# Altium PCB PCB.PcbDoc (part 2 of 4) (continued)
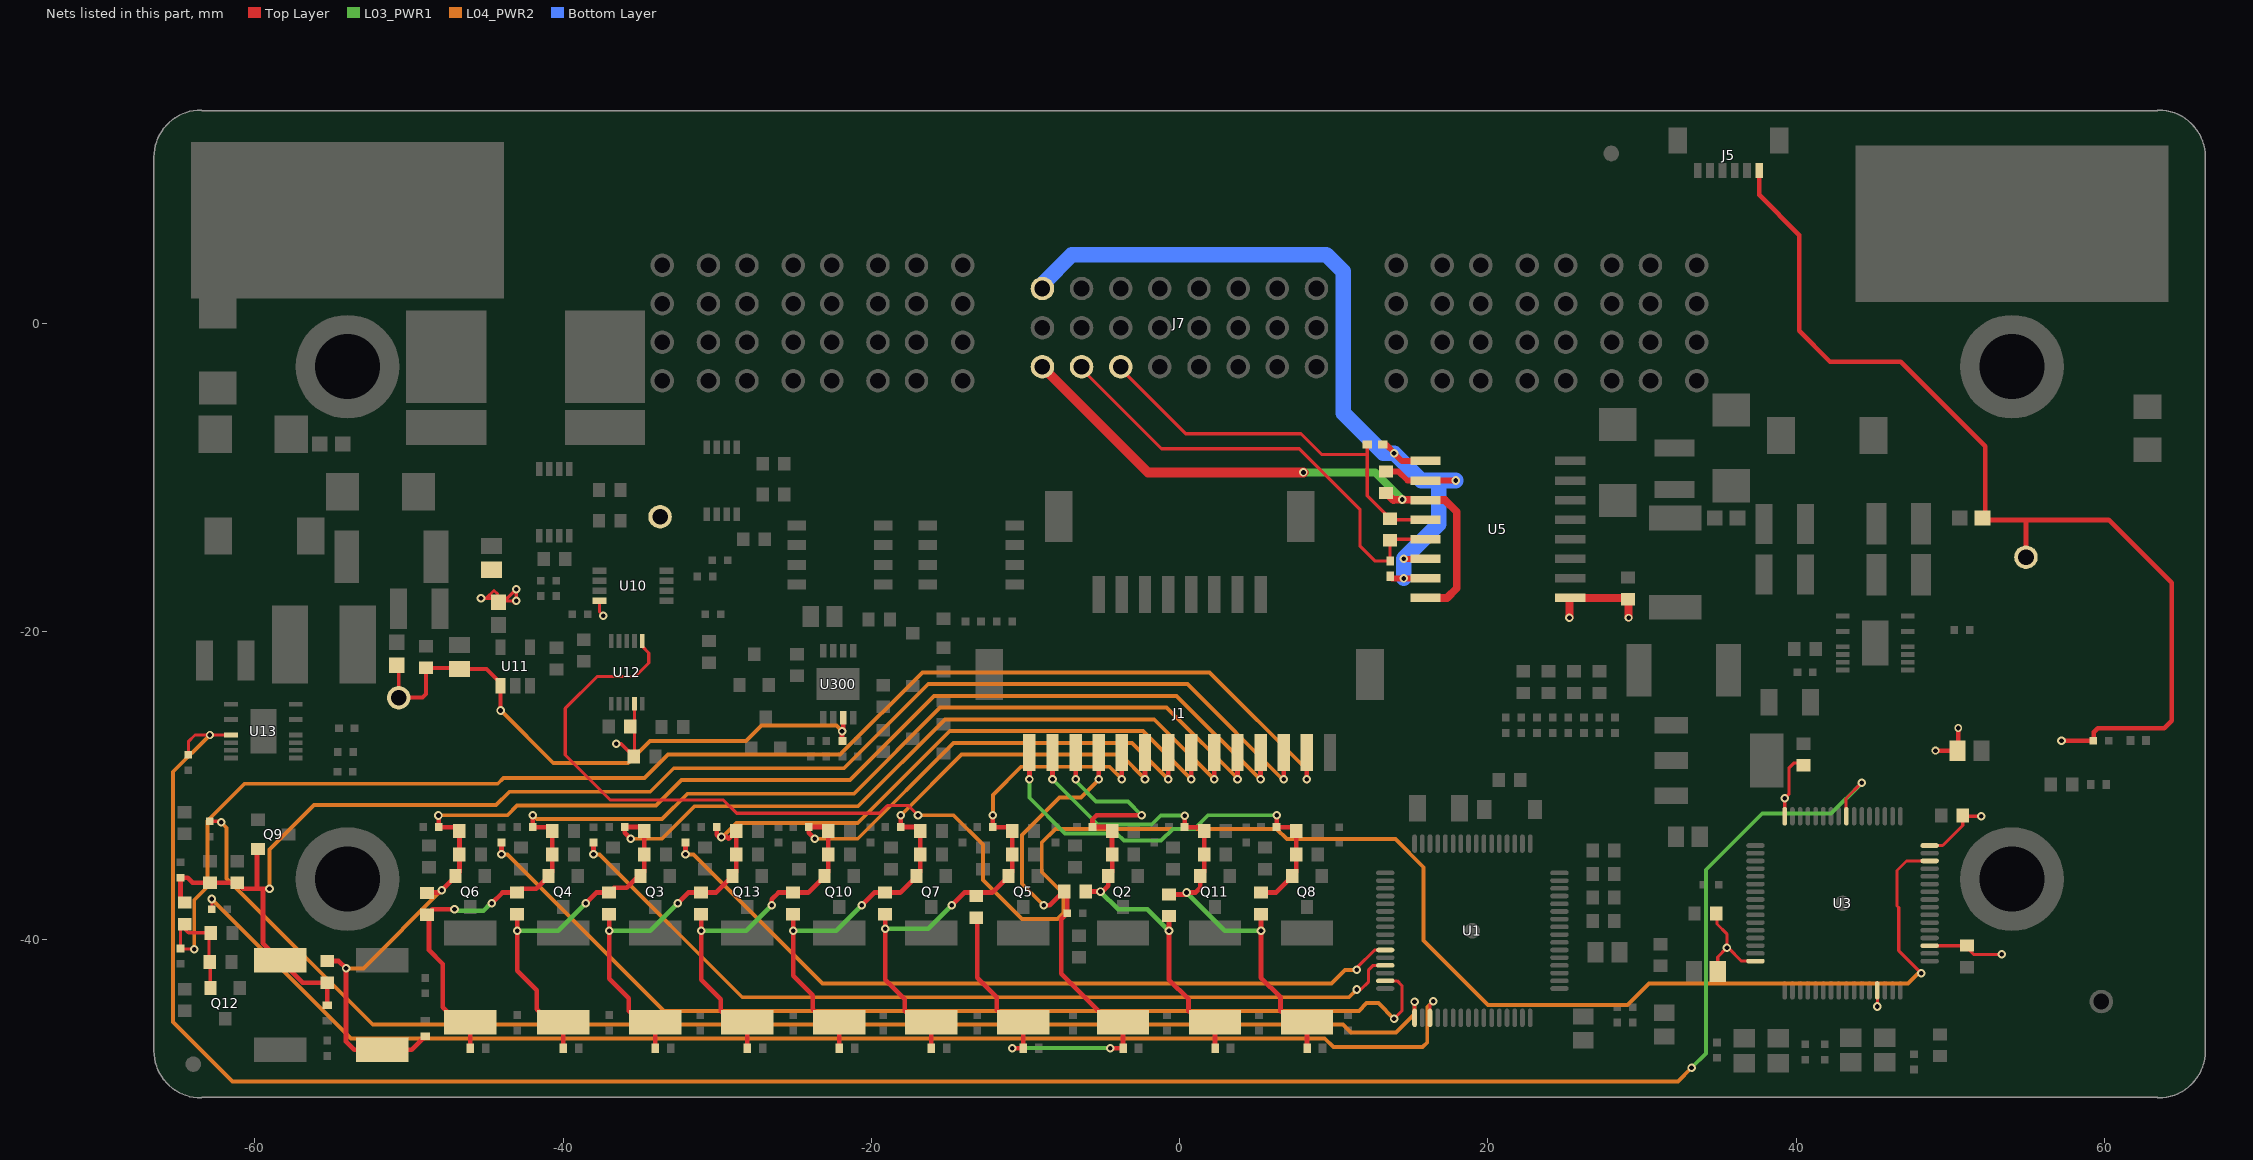
[diagram p6: the nets of this part, all layers, seen from the top]
## Part data (continued)
R303: library part R-Generic-0402, "RES SMD 4.7K OHM 1% 1/16W 0402", Case/Package=0402, Case Code (Metric)=1005, Manufacturer=Yageo, Manufacturer Part Number=RC0402FR-074K7L, Max Operating Temperature=155°C, Min Operating Temperature=-55°C, Power Rating=62.5mW, Resistance=4.7kR, Supplier Part Number 1=311-4.7KLRCT-ND, Temperature Coefficient=100ppm/°C, Tolerance=1%, Voltage Rating=50V, Case Code (Imperial)=0402, ComponentLink1Description=http://documents.rs-components.com/techlib://itc_doclist_GB.htm?stockno=6184558, ComponentLink1URL=http://documents.rs-components.com/techlib://itc_doclist_GB.htm?stockno=6184558, ComponentLink2Description=http://www.farnell.com/datasheets/1018594.pdf, ComponentLink2URL=http://www.farnell.com/datasheets/1018594.pdf, ComponentLink3Description=https://www.verical.com/server-webapp/html/getDatasheet?partID=328119, ComponentLink3URL=https://www.verical.com/server-webapp/html/getDatasheet?partID=328119, ComponentLink4Description=http://www.farnell.com/datasheets/1686128.pdf, ComponentLink4URL=http://www.farnell.com/datasheets/1686128.pdf, Composition="Thick Film", custinv=Ansync, custprt=100-0120-000181, Depth=0.5mm, Height=0.32mm, Lead Free="Lead Free", Length=1mm, Military Standard=Not, Number of Pins=2, Option=AB, Packaging="Tape and Reel", Pricing 1="1=0.1, 10=0.018, 100=0.0073, 1000=0.00329, 2500=0.00286, 5000=0.00236 (CHF)", REACH SVHC="No SVHC", Stock 1=1860042, Supplier 1=Digi-Key, Termination=SMD/SMT, Voltage Rating (DC)=50V, Width=0.5mm
R308: library part R-Generic-0402, "RES SMD 200K OHM 1% 1/16W 0402", Case/Package=0402, Case Code (Metric)=1005, Manufacturer=Yageo, Manufacturer Part Number=RC0402FR-07200KL, Max Operating Temperature=155°C, Max Power Dissipation=63mW, Min Operating Temperature=-55°C, Package Quantity=1, Power Rating=62.5mW, Resistance=200kR, Supplier Part Number 1=311-200KLRCT-ND, Temperature Coefficient=100ppm/°C, Tolerance=1%, Voltage Rating=50V, Case Code (Imperial)=0402, ComponentLink1Description=http://www.yageo.com/documents/recent/PYu-RC_Group_51_RoHS_L_9.pdf, ComponentLink1URL=http://www.yageo.com/documents/recent/PYu-RC_Group_51_RoHS_L_9.pdf, ComponentLink2Description=https://www.verical.com/server-webapp/html/getDatasheet?partID=323720, ComponentLink2URL=https://www.verical.com/server-webapp/html/getDatasheet?partID=323720, ComponentLink3Description=http://www.mouser.com/ds/2/447/PYu-RC0402_51_RoHS_L_6_r-8721.pdf, ComponentLink3URL=http://www.mouser.com/ds/2/447/PYu-RC0402_51_RoHS_L_6_r-8721.pdf, ComponentLink4Description=http://www.farnell.com/datasheets/1018594.pdf, ComponentLink4URL=http://www.farnell.com/datasheets/1018594.pdf, ComponentLink5Description=http://www.farnell.com/datasheets/2167052.pdf, ComponentLink5URL=http://www.farnell.com/datasheets/2167052.pdf, ComponentLink6Description=http://www.yageo.com/documents/recent/PYu-RC0402_51_RoHS_L_6_r.pdf, ComponentLink6URL=http://www.yageo.com/documents/recent/PYu-RC0402_51_RoHS_L_6_r.pdf, Composition="Thick Film", custinv=Ansync, custprt=100-0120-000047, Depth=0.5mm, Features="Moisture Resistant", Height=0.016inch, Lead Free="Lead Free", Length=1mm, Military Standard=Not, Number of Terminations=2, Option=AB, Packaging="Tape and Reel", Pricing 1="1=0.1, 10=0.018, 100=0.0073, 1000=0.00329, 2500=0.00286, 5000=0.00236 (USD)", REACH SVHC="No SVHC", Stock 1=7446238, Supplier 1=Digi-Key, Termination=SMD/SMT, Voltage Rating (DC)=50V, Width=0.02inch, Working Voltage=50V
R309: library part R-Generic-0402, "RES SMD 147K OHM 1% 1/16W 0402", Case/Package=0402, Case Code (Metric)=1005, Manufacturer=Yageo, Manufacturer Part Number=RC0402FR-07147KL, Max Operating Temperature=155°C, Max Power Dissipation=63mW, Min Operating Temperature=-55°C, Power Rating=62.5mW, Resistance=147kR, Supplier Part Number 1=YAG2981CT-ND, Temperature Coefficient=100ppm/°C, Tolerance=1%, Voltage Rating=50V, Case Code (Imperial)=0402, ComponentLink1Description=https://www.verical.com/server-webapp/html/getDatasheet?partID=329230, ComponentLink1URL=https://www.verical.com/server-webapp/html/getDatasheet?partID=329230, ComponentLink2Description=http://www.yageo.com/documents/recent/PYu-RC0402_51_RoHS_L_6_r.pdf, ComponentLink2URL=http://www.yageo.com/documents/recent/PYu-RC0402_51_RoHS_L_6_r.pdf, Composition="Thick Film", custinv=Ansync, custprt=100-0120-000047, Depth=0.5mm, Features="Moisture Resistant", Height=0.016inch, Lead Free="Lead Free", Length=1mm, Military Standard=Not, Number of Terminations=2, Option=AB, Packaging="Tape and Reel", Pricing 1="1=0.1, 10=0.018, 100=0.0073, 1000=0.00329, 2500=0.00286, 5000=0.00236 (USD)", Stock 1=461716, Supplier 1=Digi-Key, Termination=SMD/SMT, Voltage Rating (DC)=50V, Width=0.02inch
U1: library part BATTMAN-ISL94212INZ-700-498, "Battery Management Multi-Cell Li-Ion Battery Manager", Case/Package=QFP, Manufacturer=Renesas, Max Operating Temperature=85°C, Max Supply Current=5mA, Min Operating Temperature=-40°C, Package Quantity=160, Supplier Part Number 1=968-ISL94212INZ, ComponentLink1Description=http://www.intersil.com/products/deviceinfo.asp?pn=ISL94212, ComponentLink1URL=http://www.intersil.com/products/deviceinfo.asp?pn=ISL94212, ComponentLink2Description=http://www.intersil.com/content/dam/Intersil/documents/isl9/isl94212.pdf, ComponentLink2URL=http://www.intersil.com/content/dam/Intersil/documents/isl9/isl94212.pdf, Manufacturer Part Number=ISL94212INZ, Mount="Surface Mount", Number of Pins=64, Option=AB, Packaging=Tray, Pricing 1="1=11.53, 10=10.42, 50=9.94, 100=8.63, 1000=6.55, 10000=6.55 (USD)", Radiation Hardening=No, Stock 1=447, Supplier 1=Mouser
U3: library part MCU-STM32F105RBT6-700-443, "MCU 32-bit STM32 ARM Cortex M4 RISC 128KB Flash 2.5V/3.3V 64-Pin LQFP Tray", Case/Package=LQFP, Frequency=72MHz, Manufacturer 1=STMicroelectronics, Manufacturer Part Number 1=STM32F302RBT6, Max Operating Temperature=85°C, Max Supply Voltage=3.6V, Min Operating Temperature=-40°C, Min Supply Voltage=2V, Package Quantity=960, Supplier Part Number 1=497-17416-ND, Category=Microcontrollers, ComponentLink1Description=http://www.st.com/web/en/resource/technical/document/datasheet/DM00094064.pdf, ComponentLink1URL=http://www.st.com/web/en/resource/technical/document/datasheet/DM00094064.pdf, ComponentLink2Description=http://www.farnell.com/datasheets/1824148.pdf, ComponentLink2URL=http://www.farnell.com/datasheets/1824148.pdf, ComponentLink3Description=https://datasheet.ciiva.com/12270/dm00058181-101707-12270628.pdf?src-supplier=Mouser, ComponentLink3URL=https://datasheet.ciiva.com/12270/dm00058181-101707-12270628.pdf?src-supplier=Mouser, ComponentLink4Description=https://datasheet.ciiva.com/22691/1880973-22691996.pdf?src-supplier=Element14, ComponentLink4URL=https://datasheet.ciiva.com/22691/1880973-22691996.pdf?src-supplier=Element14, ComponentLink5Description=https://datasheet.ciiva.com/29719/dm00094064-29719691.pdf?src-supplier=Digi-Key, ComponentLink5URL=https://datasheet.ciiva.com/29719/dm00094064-29719691.pdf?src-supplier=Digi-Key, Contact Plating=Gold, Core Architecture=ARM, Data Bus Width=32b, Height=1.45mm, Interface=I2C,SPI,USB,CAN,I2S,UART,USART,IrDA,LIN, Lead Free="Lead Free", Length=10.2mm, Max Frequency=72MHz, Memory Size=128KB, Memory Type=FLASH, Number of ADC Channels=1, Number of I2C Channels=2, Number of I/Os=27, Number of Pins=64, Number of Programmable I/O=52, Number of PWM Channels=6, Number of SPI Channels=3, Number of Timers/Counters=8, Number of UART Channels=2, Number of USB Channels=1, Oscillator Type=Internal, Packaging=Tray, Peripherals=POR,PWM,WDT,DMA, Pricing 1="1=4.79000, 10=4.30300, 25=4.06760, 100=3.52540, 250=3.34460, 500=3.00112, 1000=2.53106, 2500=2.40451, 5000=2.31411 (USD)", Radiation Hardening=No, RAM Size=32KB, REACH SVHC="No SVHC", RoHS=Yes, Stock 1=1015, Supplier 1=Digi-Key, Watchdog Timer=Yes, Width=10.2mm
U5: "CAN Bus, Transceiver SOIC", Case/Package=SOIC, Isolated Power=No, Manufacturer="NXP Semiconductors", Manufacturer Part Number=TJA1052IT/5Y, Max Operating Temperature=125°C, Max Supply Voltage=5.25V, Min Operating Temperature=-40°C, Min Supply Voltage=3V, Supplier Part Number 1=568-11942-1-ND, Channel Type=Unidirectional, ComponentLink1Description=http://www.farnell.com/datasheets/2045698.pdf, ComponentLink1URL=http://www.farnell.com/datasheets/2045698.pdf, ComponentLink2Description=http://www.nxp.com/documents/data_sheet/TJA1052I.pdf, ComponentLink2URL=http://www.nxp.com/documents/data_sheet/TJA1052I.pdf, Data Rate=5Mbps, Interface=CAN, Number of Channels=2, Number of Pins=16, Number of Receive Buffers=1, Number of Transceivers=1, Number of Transmit Buffers=1, Packaging="Cut Tape", Pricing 1="1=5.27, 10=4.732, 100=3.8768, 500=3.30026 (USD)", Radiation Hardening=No, REACH SVHC="No SVHC", Stock 1=1928, Supplier 1=Digi-Key
U6 U13: "IC REG BUCK INV 0.5A SYNC 16MSOP", Case/Package=SOP, Manufacturer="Analog Devices / Linear Technology", Manufacturer Part Number=LTC3630AIMSE#TRPBF, Max Operating Temperature=125°C, Min Input Voltage=4V, Min Operating Temperature=-40°C, Output Current=500mA, Output Voltage=76V, Package Quantity=37, Supplier Part Number 1=LTC3630AIMSE#TRPBFCT-ND, ComponentLink1Description=http://www.linear.com/docs/44087, ComponentLink1URL=http://www.linear.com/docs/44087, custinv=Ansync, custprt=100-0700-000511, Number of Outputs=1, Number of Pins=12, Option=AB, Output Type=Adjustable, Packaging=Rail/Tube, Supplier 1=Digi-Key, Supplier 2=Newark, Supplier Part Number 2=95W3377, Synchronous Rectifier=Yes
U7 U8: "IC OPAMP CURR SENSE 200KHZ 8MSOP", Case/Package=MSOP, Input Bias Current=60pA, Input Offset Voltage (Vos)=3uV, Manufacturer="Analog Devices / Linear Technology", Manufacturer Part Number=LTC6102HMS8-1#PBF, Max Operating Temperature=125°C, Max Supply Voltage=60V, Min Operating Temperature=-40°C, Min Supply Voltage=4V, Operating Supply Current=420uA, Output Current per Channel=1mA, Package Quantity=50, Power Supply Rejection Ratio (PSRR)=120dB, Supplier Part Number 1=LTC6102HMS8-1#PBF-ND, Bandwidth=200kHz, ComponentLink1Description=http://www.linear.com/docs/44087, ComponentLink1URL=http://www.linear.com/docs/44087, Gain Bandwidth Product=200kHz, Lead Free="Lead Free", Nominal Gain Bandwidth Product=140kHz, Number of Channels=1, Number of Circuits=1, Number of Elements=1, Number of Pins=8, Packaging=Rail/Tube, Pricing 1="1=5.15, 25=3.4204, 100=2.8152 (USD)", Stock 1=1157, Supplier 1=Digi-Key, Supplier 2=Mouser, Supplier Part Number 2=584-LTC6102HMS8-1PBF
U10: library part TSV912IQ2T, "IC OPAMP GP 750KHZ RRO 8MSOP", Case/Package=MSOP, Input Bias Current=0.2pA, Input Offset Voltage (Vos)=7uV, Manufacturer="Analog Devices / Linear Technology", Manufacturer Part Number=LTC6078HMS8#TRPBF, Max Operating Temperature=125°C, Max Supply Voltage=5.5V, Min Operating Temperature=-40°C, Min Supply Voltage=2.7V, Operating Supply Current=55uA, Output Current per Channel=25mA, Package Quantity=2500, Power Supply Rejection Ratio (PSRR)=120dB, Supplier Part Number 1=LTC6078HMS8#TRPBFCT-ND, Voltage Gain=125dB, Common Mode Rejection Ratio=91dB, ComponentLink1Description=http://www.linear.com/docs/9198, ComponentLink1URL=http://www.linear.com/docs/9198, Gain Bandwidth Product=750kHz, Lead Free="Lead Free", Nominal Gain Bandwidth Product=750kHz, Number of Channels=2, Number of Circuits=2, Number of Elements=2, Number of Pins=8, Packaging="Tape and Reel", Pricing 1="1=4.05, 25=3.6136, 100=2.5704, 250=2.3562 (USD)", Slew Rate=0.05V/µs, Stock 1=1466, Supplier 1=Digi-Key, Unity Gain Bandwidth Product=750kHz
U11: library part AP2210K, "IC REG LINEAR 5V 300MA SOT23-5", Case/Package=SOT-23-5, Dropout Voltage=250mV, Manufacturer=Diodes, Manufacturer Part Number=AP2210K-5.0TRG1, Max Input Voltage=13.2V, Max Operating Temperature=125°C, Max Output Current=300mA, Min Input Voltage=2.5V, Min Operating Temperature=-40°C, Output Voltage=5V, Package Quantity=3000, Power Supply Rejection Ratio (PSRR)=75dB, Quiescent Current=150uA, Supplier Part Number 1=AP2210K-5.0TRG1DICT-ND, Accuracy=1%, ComponentLink1Description=https://www.diodes.com/assets/Datasheets/AP2210.pdf, ComponentLink1URL=https://www.diodes.com/assets/Datasheets/AP2210.pdf, Lead Free="Lead Free", Mount="Surface Mount", Number of Outputs=1, Number of Pins=5, Number of Regulators=1, Output Current=300mA, Output Type=Fixed, Packaging="Tape and Reel", Part number=AP2210K-5.0TRG1, Polarity=Positive, Pricing 1="1=0.43, 10=0.349, 100=0.2373, 500=0.17798, 1000=0.13349 (USD)", Stock 1=28886, Supplier 1=Digi-Key, Weight=0.001058oz
U12: library part LTC1865, "IC A/D CONV 2CH 16BIT 10-MSOP", Case/Package=MSOP, Manufacturer="Analog Devices / Linear Technology", Manufacturer Part Number=LTC1865LIMS#PBF, Max Operating Temperature=85°C, Max Power Dissipation=400mW, Max Supply Voltage=5.25V, Min Operating Temperature=-40°C, Min Supply Voltage=4.75V, Nominal Supply Current=450uA, Package Quantity=50, Supplier Part Number 1=584-LTC1865LIMS#PBF, ComponentLink1Description=http://www.farnell.com/datasheets/1575726.pdf, ComponentLink1URL=http://www.farnell.com/datasheets/1575726.pdf, ComponentLink2Description=http://www.linear.com/pc/downloadDocument.do?navId=H0,C1,C1155,C1001,C1158,P2259,D1106, ComponentLink2URL=http://www.linear.com/pc/downloadDocument.do?navId=H0,C1,C1155,C1001,C1158,P2259,D1106, Integral Nonlinearity (INL)=8LSB, Interface=Serial,SPI, Lead Free="Lead Free", Mount="Surface Mount", Number of Bits=16, Number of Converters=1, Number of Elements=1, Number of Pins=10, Packaging=Rail/Tube, Polarity=Unipolar, Power Dissipation=400mW, Pricing 1="1=14.38, 10=13.18, 50=9.53, 100=7.96, 1000=7.96, 10000=7.96 (USD)", Pricing 2="1=14.35, 25=9.5292, 100=7.956 (USD)", REACH SVHC="No SVHC", Resolution=16b, Sampling Rate=150KS/s, Stock 1=130, Stock 2=318, Supplier 1=Mouser, Supplier 2=Digi-Key, Supplier Part Number 2=LTC1865LIMS#PBF-ND, Supply Type=Single
U300: library part IC-LTC4446IMS8EPBF-700-510, "IC MOSFET DRIVER N-CH 8-MSOP", Capacitance=330nF, Case/Package=SOP, Case Code (Imperial)=0603, Case Code (Metric)=1608, Dielectric=X7R, Manufacturer="Analog Devices / Linear Technology", Max Operating Temperature=85°C, Max Supply Voltage=13.5V, Min Operating Temperature=-40°C, Min Supply Voltage=7.2V, Package Quantity=50, Ratings=AEC-Q200, Supplier Part Number 1=LTC4446IMS8E#PBF-ND, Tolerance=10%, Voltage Rating=35V, ComponentLink1Description=http://www.linear.com/docs/26389, ComponentLink1URL=http://www.linear.com/docs/26389, ComponentLink2Description=http://product.tdk.com/capacitor/mlcc/detailed_information.php?lang=en&amp;ref=jp&amp;part_no=CGA3E1X7R1V334K080AC, ComponentLink2URL=http://product.tdk.com/capacitor/mlcc/detailed_information.php?lang=en&amp;ref=jp&amp;part_no=CGA3E1X7R1V334K080AC, Composition=Ceramic, custinv=Ansync, custprt=100-0700-000510, Depth=0.8mm, Fall Time=50ns, Height=0.8mm, Lead Free="Lead Free", Length=1.6mm, Manufacturer Part Number=LTC4446IMS8E#PBF, Mount="Surface Mount", Number of Drivers=2, Number of Outputs=2, Number of Pins=8, Option=AB, Packaging=Rail/Tube, Pricing 1="1=3.72, 25=2.642, 100=2.244 (USD)", Pricing 2="1=3.72, 10=3.41, 50=2.64, 100=2.24, 1000=2.24, 10000=2.24 (USD)", Pricing 3="1=0.3, 10=0.207, 100=0.1173, 500=0.0828, 1000=0.07245 (USD)", Propagation Delay=45ns, Rise Time=80ns, Stock 1=63, Stock 2=166, Stock 3=30585, Supplier 1=Digi-Key, Supplier 2=Mouser, Supplier 3=Digi-Key, Supplier Part Number 2=584-LTC4446IMS8E#PBF, Supplier Part Number 3=445-6927-1-ND, Termination=SMD/SMT, Thickness=0.035inch, Turn-On Delay Time=45ns, Voltage Rating (DC)=35V, Weight=7.1E-05oz, Width=0.8mm
Y1 Y2: library part CRY-Generic, "CRYSTAL 24.0000MHZ 8PF SMD", Case/Package=SMD/SMT, ESR (Equivalent Series Resistance)=50R, Frequency=24MHz, Frequency Stability=15ppm, Load Capacitance=8pF, Manufacturer=NDK, Manufacturer Part Number=NX3225SA-24.000MHZ-STD-CSR-1, Max Operating Temperature=75°C, Min Operating Temperature=-10°C, Supplier Part Number 1=644-1052-1-ND, custinv=Ansync, custprt=100-0830-000044, Frequency Tolerance=15ppm, Height=0.028inch, Length=0.126inch, Mount="Surface Mount", Option=AB, Packaging="Tape and Reel", Pricing 1="1=0.75, 10=0.663, 50=0.6196, 100=0.5476, 500=0.51876, 1000=0.4323 (USD)", Pricing 2="1=0.71, 10=0.587, 50=0.587, 100=0.519, 1000=0.41, 10000=0.335 (USD)", Stock 1=48121, Stock 2=5833, Supplier 1=Digi-Key, Supplier 2=Mouser, Supplier Part Number 2=344-NX3225SA24MCSR1, Width=0.098inch
FD1 FD2 J8 J9: Option=AB

## Via types
v1: diameter 0.559, hole 0.305, Top Layer to Bottom Layer, tented both sides, 285 vias
v2: diameter 1.016, hole 0.508, Top Layer to Bottom Layer, tented top, 144 vias
v3: diameter 0.508/0.508/0.508/0.508/0.508/0.508 (per signal layer), hole 0.305, Top Layer to Bottom Layer, tented both sides, 51 vias
v4: diameter 0.508/0.508/0.508/0.508/0.508/0.508 (per signal layer), hole 0.305, Top Layer to Bottom Layer, 30 vias
v5: diameter 1.016, hole 0.508, Top Layer to Bottom Layer, tented both sides, 28 vias
v6: diameter 1.016, hole 0.508, Top Layer to Bottom Layer, 16 vias
v7: diameter 0.508, hole 0.305, Top Layer to Bottom Layer, tented both sides, 10 vias
v8: diameter 0.559, hole 0.305, Top Layer to Bottom Layer, 6 vias

## Nets (pads, with @x,y where several pads share a name; then routed paths per layer and width w, separated by ;. In a path a pad name is that pad's centre, name@x,y a point inside that pad or via, vN(x,y) a via of type N, cw(c..) or ccw(c..) an arc to the next point about the centre after c; other vN are vias at no path point)
3V3: C52.1 C53.1 C54.1 C55.1 C56.1 C66.1 C999.1 J5.1 L132.2 R79.1 TP5.1 U3.13 U3.19 U3.32 U3.48 U3.64 U5.1 | length 95.4
  Top Layer w0.203: C54.1@34.864,-38.304 34.864,-38.993 35.508,-39.637 v1(35.508,-40.538) ; C999.1@34.916,-42.083 34.916,-41.13 v1(35.508,-40.538) ; U3.64@37.35,-41.393 36.441,-41.393 35.587,-40.538 v1(35.508,-40.538) ; U3.48@39.259,-32.002 v1(39.259,-30.838) 39.545,-30.552 39.545,-28.854 39.847,-28.553 C52.1@40.502,-28.553 ; U3.13@45.259,-43.302 45.267,-43.31 v1(45.267,-44.348) ; U3.19@48.659,-40.402 50.942,-40.402 51.503,-40.963 v1(53.349,-40.963) ; U3.32@48.659,-33.902 49.506,-33.902 50.81,-32.598 C55.1@50.81,-31.962 50.849,-32.001 v1(52.01,-32.001)
  Top Layer w0.305: J5.1@37.6,9.917 37.6,8.31 40.199,5.71 40.199,-0.507 42.195,-2.503 46.777,-2.503 52.264,-7.99 52.264,-12.775 54.867,-12.775 ; v3(49.044,-27.746) 50.548,-27.746 50.52,-27.718 v3(50.52,-26.27) ; TP5.1@54.911,-15.189 54.911,-12.82 54.867,-12.775 ; v1(57.217,-27.111) R79.1@59.283,-27.111 59.306,-27.088 59.306,-26.538 59.561,-26.283 63.885,-26.283 64.36,-25.808 64.36,-16.855 60.28,-12.775 54.867,-12.775
  Top Layer w0.508: v1(25.288,-19.126) 25.288,-17.893 U5.1@25.341,-17.84 29.129,-17.84 29.15,-17.861 29.129,-17.882 v3(29.129,-19.126)
5VOUT_LDO: C77.2 C78.2 L121.2 R109.2 TP6.1 U10.8 U12.9 | length 11.6
  Top Layer w0.203: v1(-45.334,-17.861) -44.996,-17.861 ; -44.256,-17.586 -44.488,-17.353 -44.996,-17.861 ; L121.2@-44.129,-18.156 -44.002,-18.029 v1(-43.048,-18.029) ; v1@-43.175,-18.156 v1(-43.048,-18.029) ; U10.8@-37.638,-18.013 -37.638,-18.746 v1(-37.398,-18.987) ; R109.2@-35.374,-28.112 U12.9@-35.374,-24.705 ; -44.996,-17.861 -43.64,-17.861 v1(-43.048,-17.269) v1(-43.048,-18.029)
  Top Layer w0.254: v1(-36.559,-27.307) -36.232,-27.307 R109.2@-35.416,-28.122
12V: C73.2 C74.2 L134.2 R302.1 TP7.1 U11.1 U300.3 | length 39
  Top Layer w0.254: L134.2@-50.802,-22.2 -50.671,-22.33 TP7.1@-50.671,-24.307 -49.133,-24.307 -48.895,-24.07 C73.2@-48.895,-22.375 -46.784,-22.375 C74.2@-46.718,-22.441 -44.987,-22.441 -44.063,-23.365 U11.1@-44.063,-23.535 v1(-44.063,-25.141)
  Top Layer w0.305: R302.1@-21.878,-27.123 -21.904,-27.097 v1(-21.904,-26.48) -21.833,-26.409 U300.3@-21.833,-25.608
  L04_PWR2 w0.254: v1(-44.063,-25.141) -44.042,-25.141 -40.646,-28.537 -35.776,-28.537 -34.358,-27.119 -28.135,-27.119 -27.136,-26.121 -22.263,-26.121 v1(-21.904,-26.48)
12V_EN: R84.1 U3.40 U13.5 | length 152.2
  Top Layer w0.203: R84.1@-64.322,-28.008 -64.322,-27.159 -63.891,-26.728 v3(-62.925,-26.728) U13.5@-61.553,-26.728 ; U3.40@43.238,-32.002 43.238,-30.853 v1(44.259,-29.832)
  L03_PWR1 w0.254: v1(33.214,-48.32) 34.147,-47.388 34.147,-35.476 37.802,-31.82 42.271,-31.82 v1(44.259,-29.832)
  L04_PWR2 w0.254: v3(-62.925,-26.728) -65.313,-29.116 -65.313,-45.348 -61.451,-49.209 32.325,-49.209 v1(33.214,-48.32)
ADC_CS: U3.30 U12.1 | length 130.6
  Top Layer w0.203: U12.1@-34.874,-20.634 -34.874,-20.977 -34.444,-21.407 -34.444,-22.062 -35.316,-22.934 -37.797,-22.934 -39.869,-25.006 -39.869,-28.024 -36.947,-30.946 -29.603,-30.946 -28.739,-31.81 -19.475,-31.81 -18.967,-31.302 -17.611,-31.302 v1(-16.976,-31.937) ; v1(48.118,-42.18) 46.656,-40.718 46.656,-37.933 46.545,-37.822 46.545,-35.518 47.161,-34.902 U3.30@48.659,-34.902
  L04_PWR2 w0.254: v1(-16.976,-31.937) -14.665,-31.937 -12.76,-33.842 -12.76,-36.128 -10.22,-38.668 -7.934,-38.668 -7.553,-38.287 -7.553,-37.017 -8.95,-35.62 -8.95,-33.715 -8.061,-32.826 6.29,-32.826 6.954,-33.49 13.996,-33.49 15.815,-35.309 15.815,-40.065 20.006,-44.256 29.052,-44.256 30.449,-42.859 47.261,-42.859 47.94,-42.18 v1(48.118,-42.18)
B0: C43.2 C45.2 J1.13 Q12.S R69.2 R71.1 | length 97.4
  Top Layer w0.203: v1(-63.937,-40.627) -64.875,-40.627 R71.1@-64.83,-40.581 -64.83,-39.049 -64.322,-39.557 -62.99,-39.557 -62.99,-41.397 C45.2@-62.925,-41.462 -62.9,-41.487 -62.9,-42.916 Q12.S@-63.113,-43.129
  Top Layer w0.305: v1@8.25,-29.729 8.25,-29.7 J1.13@8.25,-27.976 ; v1@8.26,-29.729 v1@8.268,-29.729
  L04_PWR2 w0.254: v1(-63.937,-40.627) -63.937,-37.444 -63.068,-36.575 -63.068,-32.295 -60.667,-29.894 -44.245,-29.894 -43.875,-29.524 -34.731,-29.524 -33.207,-28 -22.031,-28 -16.697,-22.666 1.942,-22.666 8.26,-28.984 v1@8.26,-29.729
  other v1: 8.25,-29.6
B1: C37.2 C39.2 C43.1 D13.A J1.12 Q9.S R58.2 R61.2 R64.1 | length 98.1
  Top Layer w0.305: C43.1@-64.83,-37.649 R64.1@-64.83,-35.993 -64.372,-35.993 -64.045,-36.32 R58.2@-62.925,-36.32 C39.2@-61.147,-36.32 -60.77,-36.697 -59.937,-36.697 ; Q9.S@-59.864,-34.142 -59.864,-36.624 -59.937,-36.697 ; v1(-59.054,-36.71) -59.067,-36.697 -59.48,-36.697 ; D13.A@-55.305,-44.264 C37.2@-55.305,-42.797 -56.912,-42.797 R61.2@-58.353,-41.356 -59.48,-40.229 -59.48,-36.697 ; v1@6.75,-29.7 J1.12@6.75,-27.601 ; -59.937,-36.697 -59.48,-36.697
  L04_PWR2 w0.254: v1(-59.054,-36.71) -59.054,-34.162 -56.168,-31.277 -44.357,-31.277 -43.494,-30.413 -34.35,-30.413 -32.826,-28.889 -21.777,-28.889 -16.316,-23.428 0.51,-23.428 v1@6.81,-29.729
  other v1: 6.75,-29.6
B2: C28.2 C30.2 C37.1 D10.A J1.11 Q6.S R43.2 R46.2 R50.1 | length 88.3
  Top Layer w0.305: C37.1@-55.305,-41.397 -54.557,-41.397 v1(-54.085,-41.868) -54.085,-46.618 -53.548,-47.156 R46.2@-51.749,-47.156 -49.831,-47.156 D10.A@-48.955,-46.28 ; C28.2@-48.701,-36.952 -48.046,-36.952 v1(-47.888,-36.794) Q6.S@-46.984,-35.89 -46.734,-35.64 C30.2@-46.734,-34.477 R43.2@-46.734,-32.953 -46.98,-32.707 R50.1@-48.066,-32.707 ; v1(-48.095,-31.95) -48.074,-31.929 R50.1@-48.074,-32.699 ; v1@5.25,-29.7 J1.11@5.25,-27.959
  L04_PWR2 w0.254: v1(-54.085,-41.868) -52.962,-41.868 v1(-47.888,-36.794) ; v1(-48.095,-31.95) -48.082,-31.937 -43.621,-31.937 -42.986,-31.302 -33.969,-31.302 -32.318,-29.651 -21.396,-29.651 -15.935,-24.19 -0.193,-24.19 v1@5.311,-29.695
  other v1: 5.25,-29.6
B3: C20.2 C21.2 C28.1 D7.A J1.10 Q4.S R29.2 R31.2 R34.1 | length 77
  Top Layer w0.305: v1(-47.05,-38.033) -48.497,-38.033 -48.701,-38.236 -48.701,-40.7 -47.812,-41.589 -47.812,-44.383 -46.817,-45.378 R31.2@-46.034,-45.378 -46.034,-47.042 D7.A@-46.026,-47.05 ; v1(-44.637,-37.652) -43.937,-36.952 C20.2@-42.986,-36.952 -42.732,-36.698 -41.758,-36.698 Q4.S@-40.95,-35.89 -40.7,-35.64 C21.2@-40.7,-34.477 ; v1(-41.97,-31.937) -41.97,-32.707 -40.946,-32.707 R29.2@-40.708,-32.945 ; C21.2@-40.708,-34.469 R29.2@-40.708,-32.945 ; R29.2@-40.7,-32.953 R29.2@-40.708,-32.945 ; v1@3.75,-29.7 J1.10@3.75,-27.925
  L03_PWR1 w0.305: v1(-47.05,-38.033) -46.948,-38.135 -45.17,-38.135 -44.687,-37.652 v1(-44.637,-37.652)
  L04_PWR2 w0.254: v1(-41.97,-31.937) -41.716,-32.191 -33.588,-32.191 -31.937,-30.54 -21.142,-30.54 -15.554,-24.952 -0.844,-24.952 v1@3.865,-29.661
  other v1: 3.75,-29.6
B4: C15.2 C16.2 C20.1 D5.A J1.9 Q3.S R19.2 R22.2 R25.1 | length 70.3
  Top Layer w0.305: C20.1@-42.986,-38.352 -42.986,-42.032 -41.716,-43.302 -41.716,-44.51 -40.848,-45.378 R22.2@-40,-45.378 -40,-47.042 D5.A@-39.992,-47.05 ; v1(-38.541,-37.652) -37.841,-36.952 C15.2@-37.017,-36.952 -36.701,-36.636 -35.874,-36.636 -35.128,-35.89 Q3.S@-34.981,-35.89 -34.731,-35.64 R19.2@-34.731,-34.477 C16.2@-34.731,-32.953 -34.985,-32.699 R25.1@-36.009,-32.699 -36.009,-33.072 v1(-35.62,-33.461) ; v1@2.25,-29.7 J1.9@2.25,-27.414
  L03_PWR1 w0.305: v1(-42.986,-39.43) -40.319,-39.43 v1(-38.541,-37.652)
  L04_PWR2 w0.254: v1(-35.62,-33.461) -33.588,-33.461 -31.483,-31.356 -20.86,-31.356 -15.218,-25.714 -1.648,-25.714 v1@2.316,-29.678
  other v1: 2.25,-29.6
B5: C15.1 C44.2 C46.2 D3.A J1.8 Q13.S R13.2 R16.1 R70.2 | length 61.7
  Top Layer w0.305: C15.1@-37.017,-38.352 -37.017,-42.548 -35.747,-43.818 -35.747,-44.637 -35.006,-45.378 R13.2@-34.031,-45.378 -34.031,-47.042 D3.A@-34.023,-47.05 ; v1(-32.572,-37.652) -31.872,-36.952 C44.2@-31.048,-36.952 -30.09,-36.952 -29.028,-35.89 Q13.S@-29.012,-35.89 -28.762,-35.64 C46.2@-28.762,-34.477 ; R16.1@-30.04,-32.699 -30.04,-33.199 -29.889,-33.35 v1(-29.734,-33.35) -29.381,-33.35 -29.27,-33.461 R70.2@-28.77,-32.961 ; C46.2@-28.77,-34.469 R70.2@-28.77,-32.961 ; R70.2@-28.762,-32.953 R70.2@-28.77,-32.961 ; v1@0.75,-29.7 J1.8@0.75,-27.839
  L03_PWR1 w0.305: v1(-37.017,-39.43) -34.35,-39.43 v1(-32.572,-37.652)
  L04_PWR2 w0.254: v1(-29.734,-33.35) -29.667,-33.35 -28.762,-32.445 -20.888,-32.445 -14.919,-26.476 -2.383,-26.476 v1@0.801,-29.661
  other v1: 0.75,-29.6
B6: C38.2 C40.2 C44.1 D14.A J1.7 Q10.S R59.2 R62.2 R66.1 | length 54.5
  Top Layer w0.305: C44.1@-31.048,-38.352 -31.048,-42.605 -29.778,-43.875 -29.778,-44.637 -29.037,-45.378 R62.2@-28.062,-45.378 -28.062,-47.042 D14.A@-28.054,-47.05 ; v1(-26.476,-37.779) -26.476,-37.398 -26.03,-36.952 C38.2@-25.079,-36.952 -24.105,-36.952 Q10.S@-23.043,-35.89 -22.793,-35.64 C40.2@-22.793,-34.477 R59.2@-22.793,-32.953 -23.047,-32.699 R66.1@-24.071,-32.699 -24.071,-33.072 v1(-23.682,-33.461) ; v1@-0.75,-29.7 J1.7@-0.75,-27.499 ; v1@-0.697,-29.678 v1@-0.663,-29.678 ; J1.7@-0.697,-27.499 J1.7@-0.628,-27.431
  L03_PWR1 w0.305: v1(-31.048,-39.43) -28.127,-39.43 v1(-26.476,-37.779)
  L04_PWR2 w0.254: v1(-23.682,-33.461) -20.888,-33.461 -14.665,-27.238 -3.102,-27.238 v1@-0.663,-29.678
  other v1: -0.75,-29.6
B7: C29.2 C31.2 C38.1 D11.A J1.6 Q7.S R44.2 R47.2 R52.1 | length 45.9
  Top Layer w0.305: C38.1@-25.079,-38.352 -25.079,-42.351 -23.809,-43.621 -23.809,-44.51 -22.941,-45.378 R47.2@-22.093,-45.378 -22.093,-47.042 D11.A@-22.085,-47.05 ; v1(-20.634,-37.779) -19.807,-36.952 C29.2@-19.11,-36.952 -18.136,-36.952 Q7.S@-17.074,-35.89 ; v1(-18.094,-31.937) -18.102,-31.945 R52.1@-18.102,-32.699 -17.078,-32.699 -16.832,-32.945 C31.2@-16.832,-34.469 ; Q7.S@-17.082,-35.882 -16.824,-35.624 C31.2@-16.824,-34.477 ; v1@-2.25,-29.7 J1.6@-2.25,-27.5 ; J1.6@-2.25,-29.001 J1.6@-1.99,-28.741
  L03_PWR1 w0.305: v1(-25.079,-39.43) -22.285,-39.43 v1(-20.634,-37.779)
  L04_PWR2 w0.254: v1(-18.094,-31.937) -14.157,-28 -3.821,-28 v1@-2.177,-29.644
  other v1: -2.25,-29.6
B8: C19.2 C22.2 C29.1 D8.A J1.5 Q5.S R30.2 R32.2 R36.1 | length 37.2
  Top Layer w0.305: C29.1@-19.11,-38.352 -19.11,-42.605 -17.84,-43.875 -17.84,-44.637 -17.099,-45.378 R32.2@-16.124,-45.378 -16.124,-47.042 D8.A@-16.116,-47.05 ; v1(-14.792,-37.779) -13.965,-36.952 -12.167,-36.952 Q5.S@-11.105,-35.89 -10.855,-35.64 C22.2@-10.855,-34.477 R30.2@-10.855,-32.953 -11.101,-32.707 -12.125,-32.707 v1(-12.125,-31.937) ; v1@-3.75,-29.7 v1(-3.75,-29.6) J1.5@-3.75,-28.52
  L03_PWR1 w0.305: v1(-19.11,-39.303) -16.316,-39.303 v1(-14.792,-37.779)
  L04_PWR2 w0.254: v1(-12.125,-31.937) -12.125,-30.621 -10.294,-28.791 -4.547,-28.791 v1@-3.678,-29.661
B9: C13.2 C19.1 D4.C D6.A J1.4 R20.1 R21.1 R23.2 | length 45.9
  Top Layer w0.305: C19.1@-13.141,-38.352 -13.141,-42.478 -11.871,-43.748 -11.871,-44.572 -11.073,-45.37 R23.2@-10.163,-45.37 ; v1(-10.855,-47.05) D6.A@-10.147,-47.05 -10.155,-47.042 R23.2@-10.155,-45.378 ; v1(-8.823,-37.779) -8.442,-37.779 -7.553,-36.89 C13.2@-7.491,-36.89 -7.291,-37.09 R21.1@-7.291,-38.287 -7.68,-38.676 -7.68,-42.224 -4.526,-45.378 R20.1@-3.678,-45.378 -3.678,-47.042 D4.C@-3.67,-47.05 v1(-4.505,-47.05) ; v1@-5.25,-29.7 J1.4@-5.25,-28.024
  L03_PWR1 w0.254: v1(-10.855,-47.05) v1(-4.505,-47.05)
  L04_PWR2 w0.254: v1(-8.823,-37.779) -10.22,-36.382 -10.22,-33.207 -7.807,-30.794 -6.391,-30.794 v1@-5.224,-29.627
  other v1: -5.25,-29.6
B10: C12.1 C13.1 C36.2 D12.C J1.3 Q2.S R11.1 R12.1 R60.1 | length 33.4
  Top Layer w0.305: v1@-6.75,-29.7 v1(-6.75,-29.6) J1.3@-6.75,-27.823 ; C13.1@-6.091,-36.89 -5.013,-36.89 -4.628,-36.505 Q2.S@-4.628,-35.89 -4.378,-35.64 C12.1@-4.378,-34.477 ; C12.1@-4.386,-34.469 -4.386,-32.945 -4.632,-32.699 R11.1@-5.656,-32.699 -5.656,-32.199 -5.394,-31.937 v1(-2.473,-31.937) ; C36.2@-0.695,-38.479 -0.695,-42.605 0.575,-43.875 0.575,-44.637 1.316,-45.378 R60.1@2.291,-45.378 2.291,-47.042 D12.C@2.299,-47.05
  L03_PWR1 w0.254: v1@-6.705,-29.729 -6.705,-29.763 -5.421,-31.047 -3.362,-31.047 v1(-2.473,-31.937)
  L03_PWR1 w0.305: v1(-5.14,-36.89) -3.997,-38.033 -2.092,-38.033 v1(-0.695,-39.43)
B11: C27.2 C33.1 C36.1 D9.C J1.2 Q11.S R45.1 R48.1 R53.1 | length 36.1
  Top Layer w0.305: v1@-8.25,-29.7 v1(-8.25,-29.6) J1.2@-8.25,-28.027 ; C36.1@-0.695,-37.079 0.321,-37.079 v1(0.448,-36.952) 1.021,-36.952 1.341,-36.632 Q11.S@1.341,-35.89 1.591,-35.64 C33.1@1.591,-34.477 R53.1@1.591,-32.953 1.345,-32.707 0.321,-32.707 v1(0.321,-31.962) ; C27.2@5.274,-38.352 5.274,-42.489 6.544,-43.759 6.544,-44.637 7.285,-45.378 R45.1@8.26,-45.378 8.26,-47.042 D9.C@8.268,-47.05
  L03_PWR1 w0.254: v1@-8.219,-29.695 -8.169,-29.695 -5.317,-32.546 -1.812,-32.546 -1.228,-31.962 v1(0.321,-31.962)
  L03_PWR1 w0.305: v1(0.448,-36.952) 2.926,-39.43 v1(5.274,-39.43)
B12: C26.1 C27.1 J1.1 Q8.S R37.1 R38.1 | length 28.6
  Top Layer w0.305: J1.1@-9.768,-27.839 J1.1@-9.7,-27.907 ; v1@-9.75,-29.7 v1@-9.75,-29.695 ; J1.1@-9.75,-27.907 v1@-9.75,-29.695 ; v1@-9.7,-29.695 v1@-9.75,-29.695 ; C27.1@5.274,-36.952 6.248,-36.952 Q8.S@7.31,-35.89 7.56,-35.64 R38.1@7.56,-34.477 C26.1@7.56,-32.953 7.314,-32.707 6.29,-32.707 v1(6.29,-31.937)
  L03_PWR1 w0.254: v1@-9.75,-29.695 -9.75,-30.802 -7.435,-33.117 -4.087,-33.117 -3.616,-33.588 -1.203,-33.588 -0.441,-32.826 0.956,-32.826 1.845,-31.937 v1(6.29,-31.937)
  other v1: -9.75,-29.6
CAN1_GND: C63.2 D19.1 D20.1 J7.17 U5.9 U5.10 U5.14 U5.15 | length 58.3
  Top Layer w0.381: D20.1@13.167,-7.902 13.413,-7.902 13.91,-8.399 v1(13.91,-8.442) 14.418,-8.95 U5.9@15.941,-8.95 ; C63.2@13.376,-9.63 14.186,-9.63 14.776,-10.22 14.776,-10.216 v1(17.91,-10.216) ; D19.1@13.656,-16.435 13.791,-16.57 v1(14.545,-16.57) U5.15@15.941,-16.57 ; v1(14.545,-15.3) U5.14@15.941,-15.3
  Bottom Layer w1.016: J7.17@-8.89,2.201 -8.89,2.21 -8.89,2.54 -6.989,4.441 9.514,4.441 10.608,3.347 10.608,-5.839 13.212,-8.442 v1(13.91,-8.442) 15.684,-10.216 16.81,-10.216 v1(17.91,-10.216) ; v1(14.545,-16.57) v1(14.545,-15.3) 16.74,-13.105 ; 16.81,-13.043 16.81,-10.22
CAN1_H: D19.2 J7.2 R82.1 U5.13 | length 30.2
  Top Layer w0.203: J7.2@-6.317,-3.019 -1.181,-8.155 7.755,-8.155 11.707,-12.106 11.707,-14.494 12.648,-15.435 D19.2@13.656,-15.435 R82.1@13.656,-14.095 13.721,-14.03 U5.13@15.941,-14.03
CAN1_L: D20.2 J7.3 R82.2 U5.12 | length 26
  Top Layer w0.203: J7.3@-3.833,-2.966 0.387,-7.186 7.872,-7.186 9.214,-8.528 12.099,-8.528 12.14,-8.569 ; 12.17,-8.986 12.17,-11.209 R82.2@13.656,-12.695 13.721,-12.76 U5.12@15.941,-12.76 ; 12.174,-8.93 12.174,-8.528 D20.2@12.174,-7.883
CAN_VCC_CH1: C63.1 J7.1 U5.11 U5.16 | length 39.3
  Top Layer w0.508: C63.1@13.376,-10.994 13.872,-11.49 13.894,-11.468 U5.11@15.963,-11.468 ; U5.16@15.941,-17.84 17.339,-17.84 17.974,-17.205 17.974,-12.253 17.211,-11.49 15.985,-11.49 U5.11@15.963,-11.468 ; U5.11@15.941,-11.49 U5.11@15.963,-11.468
  Top Layer w0.635: J7.1@-8.943,-2.923 -8.825,-2.923 -2.054,-9.694 v1(8.03,-9.694)
  L03_PWR1 w0.508: v1(8.03,-9.694) 12.687,-9.694 v1(14.442,-11.449)
CB1: R67.2 U1.19 | length 87.6
  Top Layer w0.203: R67.2@-62.798,-38.033 v1(-62.798,-37.373) ; U1.19@16.24,-45.08 16.24,-44.212 v1(16.45,-44.002)
  L04_PWR2 w0.254: v1(-62.798,-37.373) -62.798,-37.398 -53.781,-46.415 9.411,-46.415 9.973,-46.977 15.761,-46.977 16.064,-46.675 16.064,-44.389 v1(16.45,-44.002)
CB2: R55.2 U1.17 | length 88.1
  Top Layer w0.203: R55.2@-62.925,-32.326 -62.256,-32.326 v1(-62.188,-32.394) ; U1.17@15.24,-45.08 v1(15.24,-44.035)
  L04_PWR2 w0.254: v1(-62.188,-32.394) -61.832,-32.75 -61.832,-36.052 -52.358,-45.526 10.608,-45.526 11.116,-46.034 14.037,-46.034 15.24,-44.831 v1(15.24,-44.035)
CB3: R40.2 U1.15 | length 67.1
  Top Layer w0.203: U1.15@13.34,-42.68 14.112,-42.68 14.418,-42.986 14.418,-44.637 v1(13.91,-45.145)
  Top Layer w0.305: v1(-44.002,-34.477) -44.002,-33.723 -43.994,-33.715 R40.2@-44.002,-33.707
  L04_PWR2 w0.254: v1(-44.002,-34.477) -43.621,-34.477 -33.461,-44.637 11.624,-44.637 12.132,-44.129 12.894,-44.129 v1(13.91,-45.145)
CB4: R27.2 U1.13 | length 57.3
  Top Layer w0.203: v1(11.497,-43.24) 11.751,-43.24 12.259,-42.732 12.259,-41.97 12.549,-41.68 U1.13@13.34,-41.68
  Top Layer w0.305: v1(-38.033,-34.477) R27.2@-38.033,-33.707
  L04_PWR2 w0.254: v1(-38.033,-34.477) -37.652,-34.477 -28.381,-43.748 10.989,-43.748 v1(11.497,-43.24)
CB5: R18.2 U1.11 | length 50.6
  Top Layer w0.203: v1(11.497,-41.97) 11.497,-41.843 12.66,-40.68 U1.11@13.34,-40.68
  Top Layer w0.305: v1(-32.064,-34.477) R18.2@-32.064,-33.707
  L04_PWR2 w0.254: v1(-32.064,-34.477) -31.556,-34.477 -23.174,-42.859 9.846,-42.859 10.735,-41.97 v1(11.497,-41.97)